# Altium PCB A PCB Christmas.PcbDoc
Units mm, origin at the board's own origin, x right, y up, seen from the top; angles counter-clockwise.
Board outline 101.4 x 137.45 mm, 2 copper layers (TOP, BOT), stack 1.519 mm thick; 102 components, 52 nets, 272 pads, 172 vias.
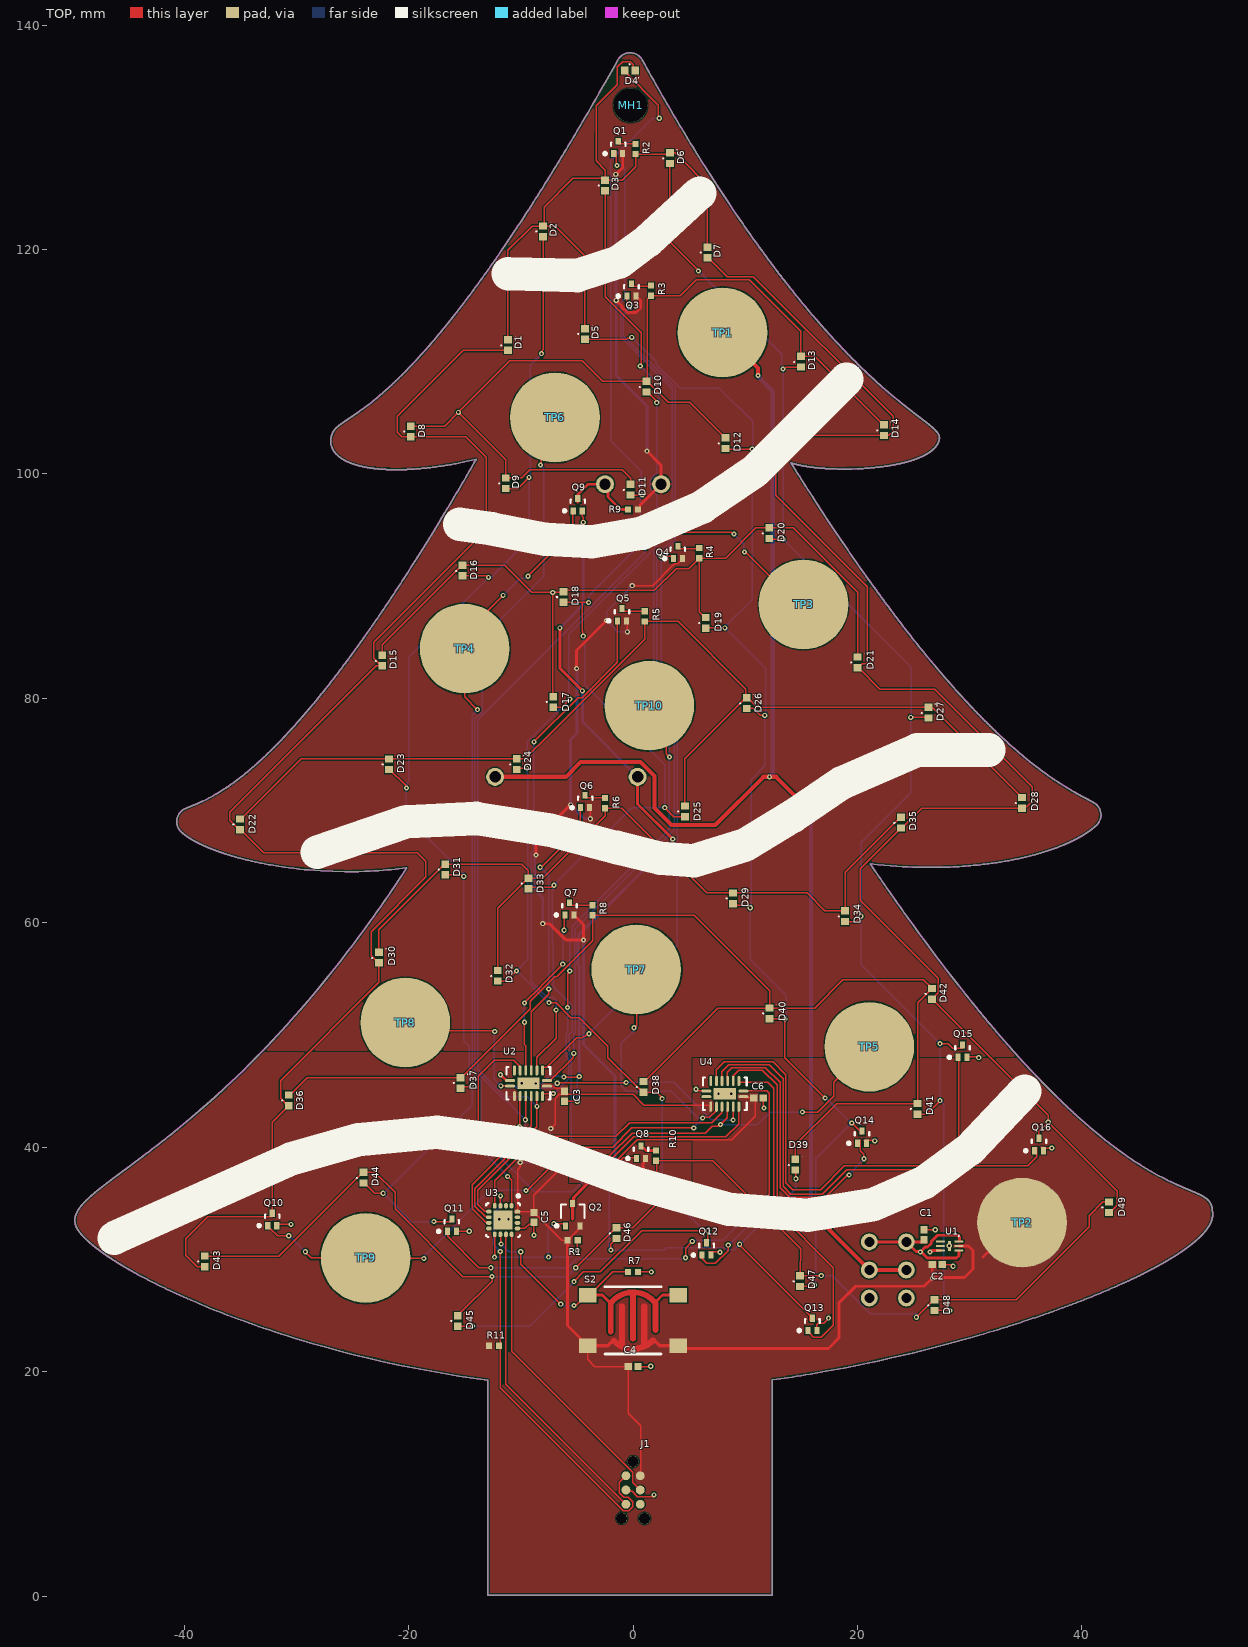
[diagram p0: TOP view]
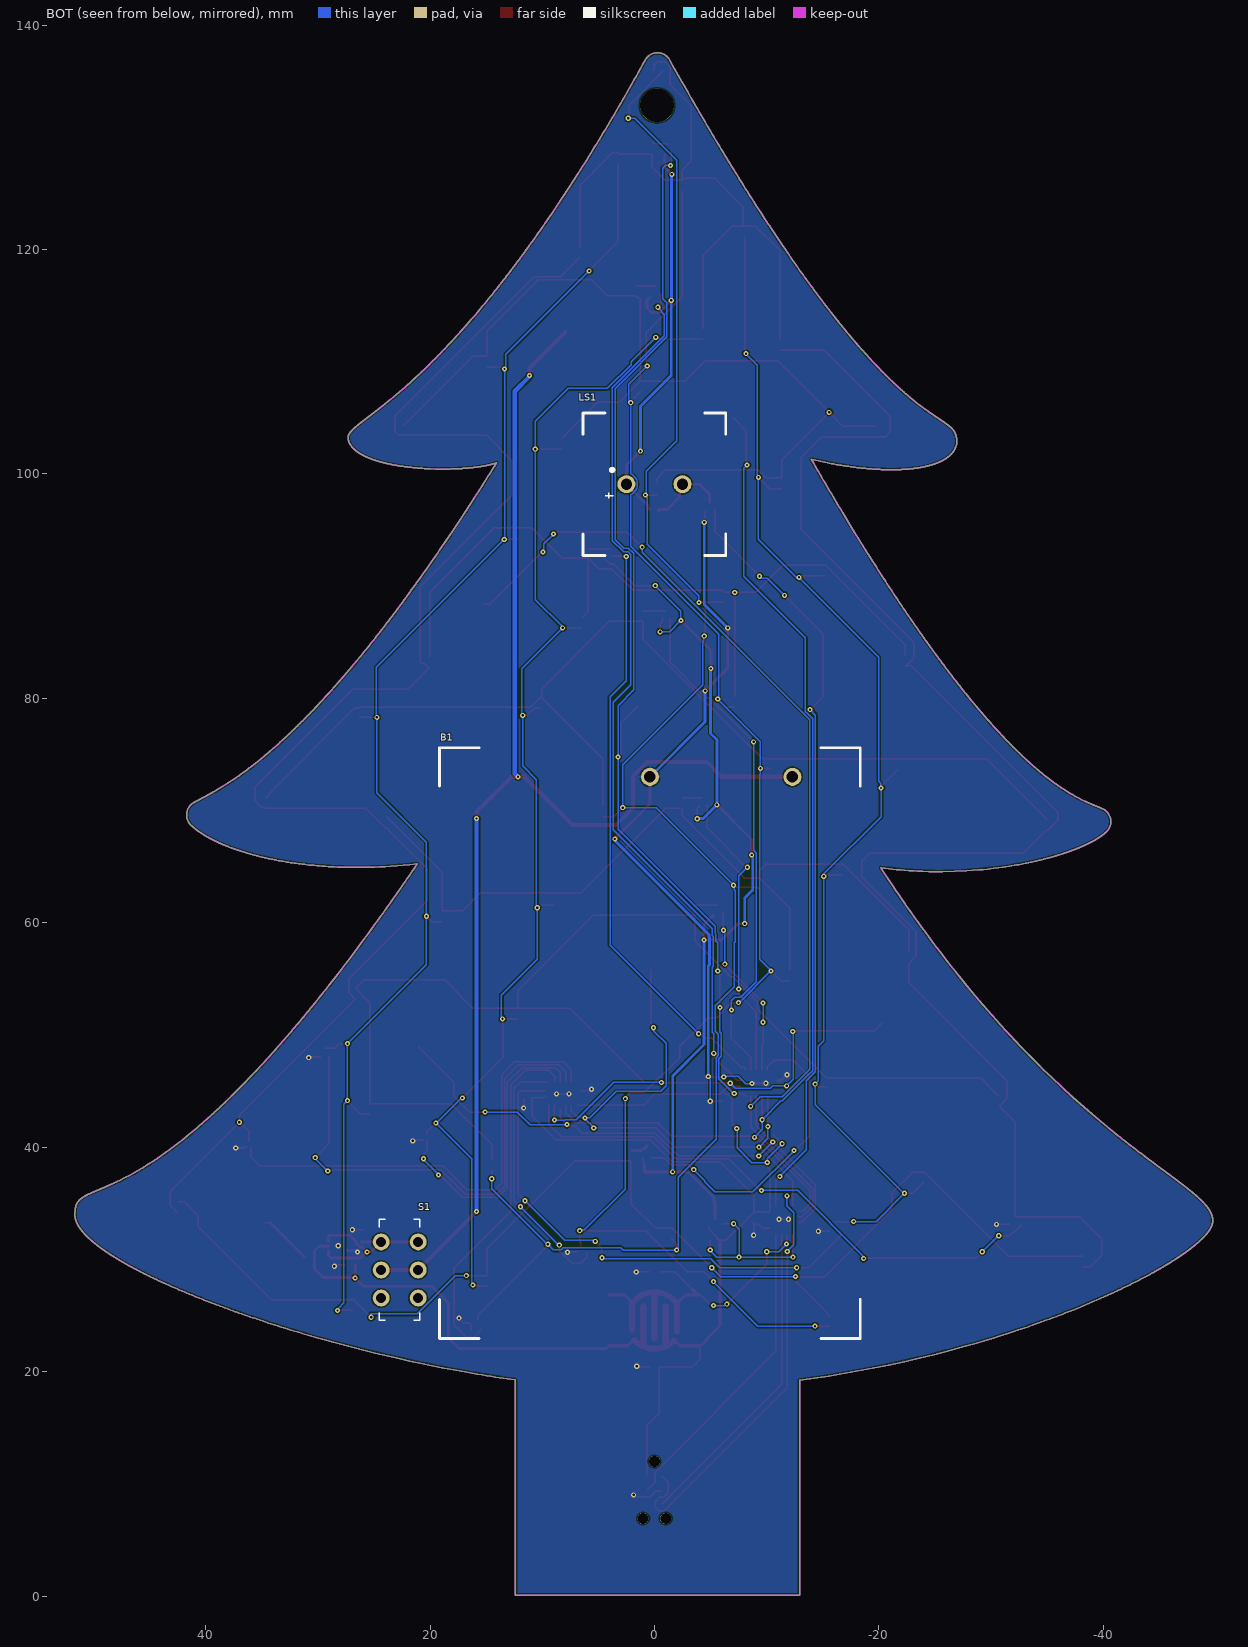
[diagram p1: BOT view, seen from below]
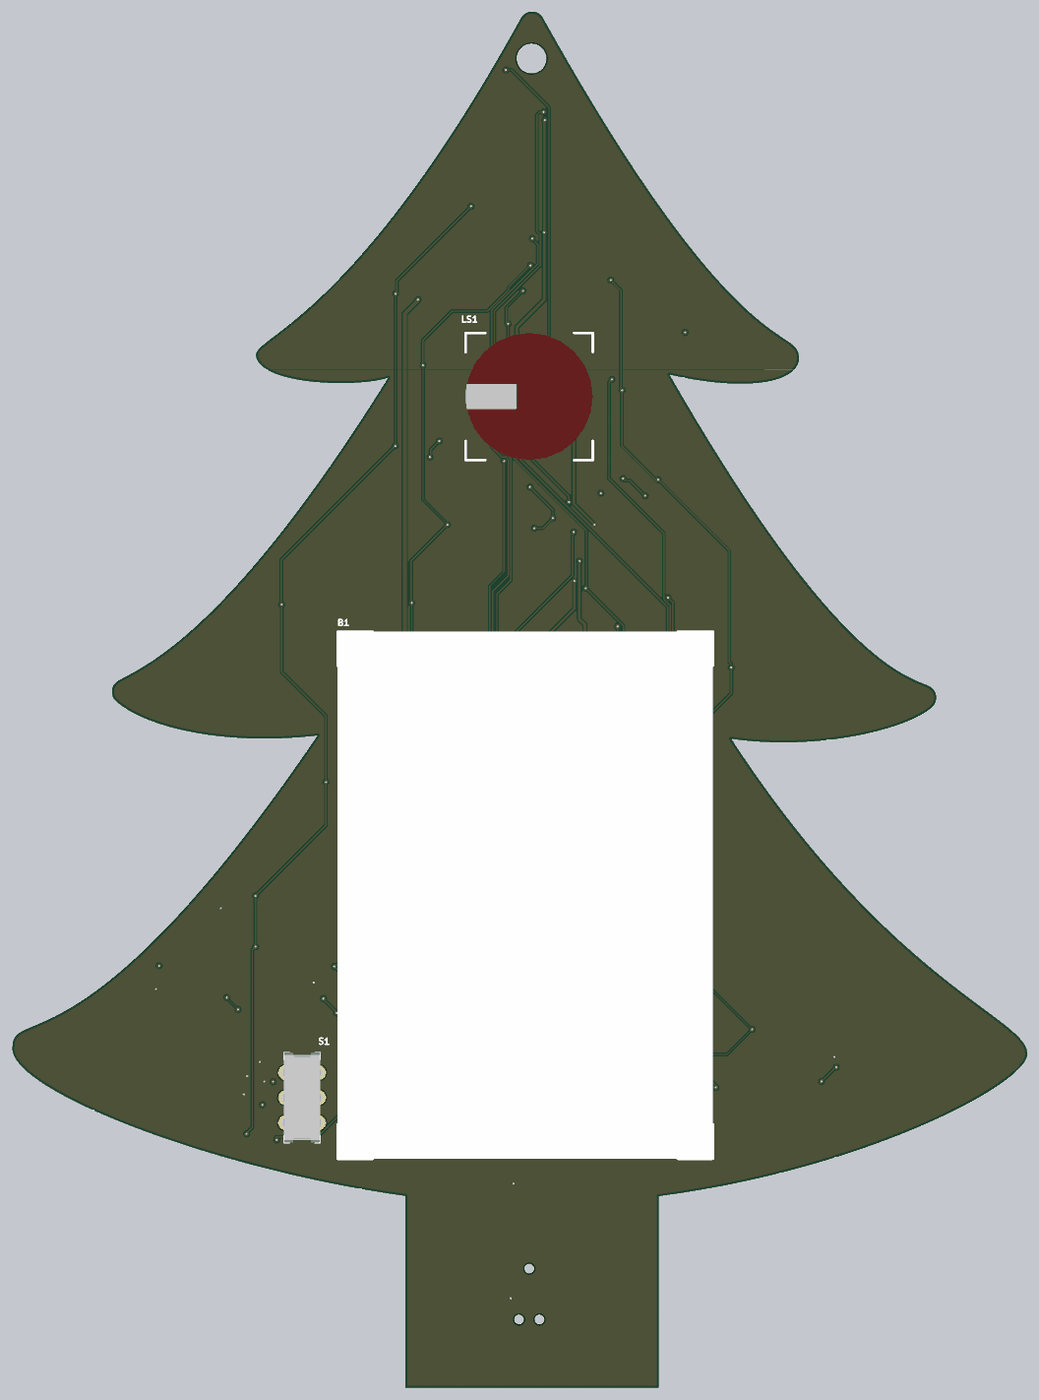
[diagram p2: 3D render of the assembled board from below, using the file's embedded part models]

## Layer stack, top to bottom
Top Solder: solder mask 0.0254, SM-001, Dk 4
TOP: signal copper 0.0356
Dielectric 3: core 1.4478, Core-039, Dk 4.8
BOT: signal copper 0.0356
Bottom Solder: solder mask 0.0254, SM-001, Dk 4

## Board outline
4379 vertices, not listed, extent -49.751,0.076 51.654,137.527

## Design rules (kind name [scope] priority, off if disabled: settings)
BoardOutlineClearance [All] p1: gap=0.127 ignorepadtopadclearanceinfootprint=FALSE
Clearance [All] p1: gap=0.127 ignorepadtopadclearanceinfootprint=TRUE
HoleSize [All] p1: absolutevalues=TRUE maxlimit=5.08 minlimit=0.025 maxpercent=80.000 minpercent=20.000
MinimumSolderMaskSliver [All] p1: minsoldermaskwidth=0.127
PlaneClearance [All] p1: clearance=0.127
PlaneConnect PlaneConnect_1 [All] p1: pad.planeconnectstyle=Relief pad.reliefexpansion=0.508 pad.reliefentries=4 pad.reliefconductorwidth=0.254 pad.reliefairgap=0.254 via.planeconnectstyle=Direct via.reliefexpansion=0.508 via.reliefentries=4 via.reliefconductorwidth=0.254 via.reliefairgap=0.254
PlaneConnect [All] p2: planeconnectstyle=Direct reliefexpansion=0.508 reliefentries=4 reliefconductorwidth=0.254 reliefairgap=0.254
PolygonConnect PolygonConnect_1 [All] p1: thpad.connectstyle=Relief thpad.reliefconductorwidth=0.254 thpad.reliefentries=4 thpad.polygonreliefangle="90 Angle" thpad.airgapwidth=0.127 smdpad.connectstyle=Direct smdpad.reliefconductorwidth=0.254 smdpad.reliefentries=4 smdpad.polygonreliefangle="90 Angle" smdpad.airgapwidth=0.254 via.connectstyle=Direct via.reliefconductorwidth=0.254 via.reliefentries=4 via.polygonreliefangle="90 Angle" via.airgapwidth=0.254
PolygonConnect [All] p2: connectstyle=Direct reliefconductorwidth=0.254 reliefentries=4 polygonreliefangle="90 Angle" airgapwidth=0.254
RoutingVias [All] p1: holewidth=0.203 width=0.457 viastyle="Through Hole" minholewidth=0.203 minwidth=0.457 maxholewidth=0.203 maxwidth=0.457
SilkToSilkClearance [All] p1: silktosilkclearance=0
SilkToSolderMaskClearance [IsPad] p1: minsilkscreentomaskgap=0.127 clearancetoexposedcopper=TRUE
SolderMaskExpansion [All] p1: expansion=0.102 istentingtop=FALSE
Width [All] p1: maxlimit=2.54 minlimit=0.127 preferedwidth=0.254 minimp=50.000000 maximp=50.000000 favimp=50.000000
24 further rules are at their usual default settings.

## Components (designator, comment, footprint, x,y, rotation, side; value= is the part's Value field where it differs from the comment)
B1 "Three Cell" 2479 0.4,49.276 r0 bottom locked
C1 "Ceramic Cap" C0402 25.908,32.199 r270 top value=1uF
C2 "Ceramic Cap" C0402 27.102,29.54 r180 top value=1uF
C3 "Ceramic Cap" C0402 -6.096,44.534 r90 top value=100nF
C4 "Ceramic Cap" C0402 0,20.447 r180 top value=100nF
C5 "Ceramic Cap" C0402 -8.839,33.739 r90 top value=100nF
C6 "Ceramic Cap" C0402 11.176,44.399 r180 top value=100nF
D1 "LED" 16-219AUTD/S3151/TR8 -11.151,111.488 r270 top
D2 "LED" 16-219AUTD/S3151/TR8 -8.026,121.615 r270 top
D3 "LED" 16-219AUTD/S3151/TR8 -2.489,125.705 r270 top
D4 "LED" 16-219AUTD/S3151/TR8 -0.279,135.941 r180 top
D5 "LED" 16-219AUTD/S3151/TR8 -4.293,112.471 r270 top
D6 "LED" 16-219AUTD/S3151/TR8 3.277,128.143 r270 top
D7 "LED" 16-219AUTD/S3151/TR8 6.629,119.736 r270 top
D8 "LED" 16-219AUTD/S3151/TR8 -19.812,103.784 r270 top
D9 "LED" 16-219AUTD/S3151/TR8 -11.354,99.169 r270 top
D10 "LED" 16-219AUTD/S3151/TR8 1.194,107.78 r270 top
D11 "LED" 16-219AUTD/S3151/TR8 -0.229,98.603 r270 top
D12 "LED" 16-219AUTD/S3151/TR8 8.23,102.743 r270 top
D13 "LED" 16-219AUTD/S3151/TR8 14.961,110 r270 top
D14 "LED" 16-219AUTD/S3151/TR8 22.352,103.904 r270 top
D15 "LED" 16-219AUTD/S3151/TR8 -22.352,83.37 r270 top
D16 "LED" 16-219AUTD/S3151/TR8 -15.189,91.389 r270 top
D17 "LED" 16-219AUTD/S3151/TR8 -7.112,79.68 r270 top
D18 "LED" 16-219AUTD/S3151/TR8 -6.198,89.035 r270 top
D19 "LED" 16-219AUTD/S3151/TR8 6.477,86.733 r270 top
D20 "LED" 16-219AUTD/S3151/TR8 12.141,94.717 r270 top
D21 "LED" 16-219AUTD/S3151/TR8 20.015,83.203 r270 top
D22 "LED" 16-219AUTD/S3151/TR8 -35.027,68.765 r270 top
D23 "LED" 16-219AUTD/S3151/TR8 -21.742,74.125 r270 top
D24 "LED" 16-219AUTD/S3151/TR8 -10.363,74.143 r270 top
D25 "LED" 16-219AUTD/S3151/TR8 4.623,69.934 r270 top
D26 "LED" 16-219AUTD/S3151/TR8 10.135,79.578 r270 top
D27 "LED" 16-219AUTD/S3151/TR8 26.314,78.732 r270 top
D28 "LED" 16-219AUTD/S3151/TR8 34.671,70.681 r270 top
D29 "LED" 16-219AUTD/S3151/TR8 8.915,62.179 r270 top
D30 "LED" 16-219AUTD/S3151/TR8 -22.657,56.904 r270 top
D31 "LED" 16-219AUTD/S3151/TR8 -16.739,64.752 r270 top
D32 "LED" 16-219AUTD/S3151/TR8 -12.065,55.278 r270 top
D33 "LED" 16-219AUTD/S3151/TR8 -9.322,63.5 r270 top
D34 "LED" 16-219AUTD/S3151/TR8 18.898,60.587 r270 top
D35 "LED" 16-219AUTD/S3151/TR8 23.876,68.918 r270 top
D36 "LED" 16-219AUTD/S3151/TR8 -30.683,44.171 r270 top
D37 "LED" 16-219AUTD/S3151/TR8 -15.392,45.72 r270 top
D38 "LED" 16-219AUTD/S3151/TR8 0.914,45.372 r270 top
D39 "LED" 16-219AUTD/S3151/TR8 14.453,38.438 r270 top
D40 "LED" 16-219AUTD/S3151/TR8 12.167,51.925 r270 top
D41 "LED" 16-219AUTD/S3151/TR8 25.349,43.416 r270 top
D42 "LED" 16-219AUTD/S3151/TR8 26.645,53.67 r270 top
D43 "LED" 16-219AUTD/S3151/TR8 -38.176,29.82 r270 top
D44 "LED" 16-219AUTD/S3151/TR8 -24.028,37.287 r270 top
D45 "LED" 16-219AUTD/S3151/TR8 -15.621,24.511 r270 top
D46 "LED" 16-219AUTD/S3151/TR8 -1.473,32.342 r270 top
D47 "LED" 16-219AUTD/S3151/TR8 14.884,28.067 r270 top
D48 "LED" 16-219AUTD/S3151/TR8 26.873,25.926 r270 top
D49 "LED" 16-219AUTD/S3151/TR8 42.418,34.646 r270 top
J1 "TC2030-PKT-NL" TC2030-PKT-NL 0,11.989 r270 top
LS1 "Buzzer" PS1240P02BT 0,99.085 r180 bottom locked
MH1 "3MM_MH" 3MM_MH -0.229,132.842 r0 top
Q1 "P-CH" SOTFL40P120X55-3N-2 -1.324,129.103 r90 top
Q2 "P-CH" SOTFL65P210X75-3N -5.385,33.981 r90 top
Q3 "P-CH" SOTFL40P120X55-3N-2 -0.15,116.403 r90 top
Q4 "P-CH" SOTFL40P120X55-3N-2 3.988,93.015 r90 top
Q5 "P-CH" SOTFL40P120X55-3N-2 -0.991,87.452 r90 top
Q6 "P-CH" SOTFL40P120X55-3N-2 -4.267,70.815 r90 top
Q7 "P-CH" SOTFL40P120X55-3N-2 -5.664,61.239 r90 top
Q8 "P-CH" SOTFL40P120X55-3N-2 0.711,39.548 r90 top
Q9 "N-CH" SOTFL40P120X55-3N -4.93,97.253 r90 top
Q10 "N-CH" SOTFL40P120X55-3N -32.156,33.557 r90 top
Q11 "N-CH" SOTFL40P120X55-3N -16.154,33.049 r90 top
Q12 "N-CH" SOTFL40P120X55-3N 6.553,30.937 r90 top
Q13 "N-CH" SOTFL40P120X55-3N 15.977,24.21 r90 top
Q14 "N-CH" SOTFL40P120X55-3N 20.396,40.898 r90 top
Q15 "N-CH" SOTFL40P120X55-3N 29.36,48.561 r90 top
Q16 "N-CH" SOTFL40P120X55-3N 36.17,40.234 r90 top
R1 "Resistor" RESC1005X04N -5.385,31.699 r180 top value=10kΩ
R2 "Resistor" RESC1005X04N 0.229,128.956 r270 top value=124Ω
R3 "Resistor" RESC1005X04N 1.6,116.332 r270 top value=124Ω
R4 "Resistor" RESC1005X04N 5.893,92.939 r270 top value=124Ω
R5 "Resistor" RESC1005X04N 1.041,87.307 r270 top value=124Ω
R6 "Resistor" RESC1005X04N -2.489,70.663 r270 top value=124Ω
R7 "Resistor" RESC1005X04N 0,28.88 r180 top value=10kΩ
R8 "Resistor" RESC1005X04N -3.607,61.112 r270 top value=124Ω
R9 "Resistor" RESC1005X04N 0,96.825 r0 top value=1kΩ
R10 "Resistor" RESC1005X04N 2.032,39.243 r270 top value=124Ω
R11 "10k" RESC1005X04N -12.395,22.301 r180 top
S1 "JS202011CQN" JS202011CQN 22.708,29.058 r180 bottom
S2 "PTS645SM43SMTR92 LFS" "PTS645SM43SMTR92 LFS" 0,24.562 r180 top
TP1 "TP" ORNAMENTS 7.976,112.598 r0 top
TP2 "TP" ORNAMENTS 34.671,33.274 r0 top
TP3 "TP" ORNAMENTS 15.189,88.367 r0 top
TP4 "TP" ORNAMENTS -15.011,84.43 r0 top
TP5 "TP" ORNAMENTS 21.057,48.946 r0 top
TP6 "TP" ORNAMENTS -6.96,105.029 r0 top
TP7 "TP" ORNAMENTS 0.279,55.829 r0 top
TP8 "TP" ORNAMENTS -20.295,51.105 r0 top
TP9 "TP" ORNAMENTS -23.825,30.124 r0 top
TP10 "TP" ORNAMENTS 1.448,79.35 r0 top
U1 "MIC5363-3.3YMT-TR" QFN40P120X120X60_HS-7N 28.207,31.198 r0 top
U2 "74HC595BQ-Q100,115" QFN50P250X350X100_HS-17N -9.322,45.695 r270 top
U3 "PIC16F15225-E/MG" PQFN50P300X300X90_HS-17N -11.577,33.507 r270 top
U4 "74HC595BQ-Q100,115" QFN50P250X350X100_HS-17N 8.179,44.755 r270 top

## Footprints (in the part's own frame and the unit in brackets; to place one, negate y for a bottom-side part, rotate by r counter-clockwise, add the part's x,y. Pads: shape width x height; smd on the part's side, far side on the other; paste and mask are expansions set on the pad)
3MM_MH [mm]
  round 3 hole 3 unplated: 1(0,0)
16-219AUTD/S3151/TR8 [mm]
  rect 0.65x0.7 smd: 1(-0.475,0) 2(0.475,0)
  silkscreen extent -0.76,-0.64 0.05,0.64, body extent -0.48,-0.26 0.48,0.26, height 0.25
2479 [mm]
  round 1.6 hole 1.02: 1(-12.7,-23.725) 2(0,-23.725)
  silkscreen extent -18.74,-26.31 18.75,26.31, body extent -18.75,-26.32 18.75,26.32
C0402 [mm] "Chip Capacitor, 2-Leads, Body 1.00x0.50mm, IPC Medium Density"
  rect 0.66x0.62 smd mask+0.071: 1(-0.44,0) 2(0.44,0)
  body extent -0.53,-0.28 0.53,0.27, height 0.55
JS202011CQN [mm]
  round 1.5 hole 0.9: 1(-1.65,2.5) 1(1.65,2.5) 2(-1.65,0) 2(1.65,0) 3(-1.65,-2.5) 3(1.65,-2.5)
  silkscreen extent -1.8,-4.5 1.8,4.5, body extent -1.8,-4.5 1.8,4.5, height 2.63
ORNAMENTS [mm]
  round 8 smd paste-8: 1(0,0)
PQFN50P300X300X90_HS-17N [mm] "PQFN, 16-Leads, Body 3.00x3.00mm, Pitch 0.50mm, Thermal Pad 1.70x1.70mm, IPC Medium Density"
  oval 0.5x0.35 smd: 1(-1.275,0.75) 2(-1.275,0.25) 3(-1.275,-0.25) 4(-1.275,-0.75) 9(1.275,-0.75) 10(1.275,-0.25) 11(1.275,0.25) 12(1.275,0.75)
  oval 0.35x0.5 smd: 5(-0.75,-1.275) 6(-0.25,-1.275) 7(0.25,-1.275) 8(0.75,-1.275) 13(0.75,1.275) 14(0.25,1.275) 15(-0.25,1.275) 16(-0.75,1.275)
  rect 1.7x1.7 smd: 17(0,0)
  silkscreen extent -2.27,-1.5 1.5,1.5, body extent -1.5,-1.5 1.5,1.5, height 0.9
PS1240P02BT [mm]
  round 1.6 hole 1: 1(-2.5,0) 2(2.5,0)
  silkscreen extent -6.37,-6.35 6.35,6.35, body extent -6.37,-6.35 6.35,6.35, height 7.03
"PTS645SM43SMTR92 LFS" [mm]
  rect 1.55x1.3 smd: 1(-4.025,2.25) 2(4.025,2.25) 3(-4.025,-2.25) 4(4.025,-2.25)
  TOP region: -2.02,1.715 -1.973,1.62 -1.891,1.553 -1.789,1.525 -1.684,1.541 -1.595,1.599 -1.595,1.599 -1.595,1.599 -1.431,1.747 -1.254,1.878 -1.254,1.878 -1.254,-1.25 -1.229,-1.36 -1.159,-1.449 -1.057,-1.498 -0.943,-1.498 -0.841,-1.449 -0.771,-1.36 -0.746,-1.25 -0.746,-1.25 -0.746,2.131 0,2.258 0.746,2.131 0.746,2.131 0.746,-1.25 0.771,-1.36 0.841,-1.449 0.943,-1.498 1.057,-1.498 1.159,-1.449 1.229,-1.36 1.254,-1.25 1.254,-1.25 1.254,1.878 1.402,1.77 1.541,1.651 1.541,1.651 1.632,1.596 1.738,1.583 1.839,1.615 1.919,1.686 1.963,1.783 1.963,1.783 2.303,2.123 4.025,2.123 4.074,2.132 4.115,2.16 4.143,2.201 4.152,2.25 4.152,2.25 4.143,2.299 4.115,2.34 4.074,2.368 4.025,2.377 4.025,2.377 2.25,2.377 2.201,2.368 2.159,2.34 2.16,2.34 1.864,2.044 0.646,2.69 -0.732,2.668 -1.929,1.984 -1.929,1.984 -2.284,2.34 -2.326,2.368 -2.375,2.377 -2.375,2.377 -4.025,2.377 -4.08,2.365 -4.125,2.329 -4.149,2.278 -4.149,2.222 -4.125,2.171 -4.08,2.135 -4.025,2.123 -4.025,2.123 -2.428,2.123
  TOP lines w0.254: 4.025,2.25 2.25,2.25 1.837,1.837 1.714,1.837 ; 4.025,-2.25 2.75,-2.25 2.026,-1.526 1.996,-1.526 ; -2,-1.5 -2,-1.625 -2.625,-2.25 -4.025,-2.25 ; -4.025,2.25 -2.375,2.25 -1.904,1.779 -1.774,1.779 ; -1.774,1.779 -1.774,1.779
  TOP lines w0.508: 2,1 2,-1.391 ; 1.996,-1.526 cw(c0,0) -2.01,-1.507 ; 1.714,1.837 ccw(c0,0) -1.774,1.779 ; 1,2.25 1,-1.25 ; 0,1.625 0,-2.375 ; -1,2.25 -1,-1.25 ; -2,0.859 -2,-1.5
  silkscreen extent -2.5,-3 2.5,3, body extent -4.5,-3 4.5,3, height 4.3
QFN40P120X120X60_HS-7N [mm] "QFN, 6-Leads, Body 1.20x1.20mm, Pitch 0.40mm, Thermal Pad 0.26x0.90mm, IPC Medium Density"
  oval 0.8x0.2 smd: 1(-0.826,0.4) 2(-0.826,0) 3(-0.826,-0.4) 4(0.826,-0.4) 5(0.826,0) 6(0.826,0.4)
  rect 0.26x0.9 smd: 7(0,0)
  silkscreen extent 0.78,0.84 0.87,0.94, body extent -0.63,-0.63 0.63,0.63, height 0.6
QFN50P250X350X100_HS-17N [mm] "QFN, 16-Leads, Body 2.50x3.50mm, Pitch 0.50mm, Thermal Pad 1.00x2.00mm, IPC Medium Density"
  oval 0.25x0.9 smd: 1(-0.25,1.65) 8(-0.25,-1.65) 9(0.25,-1.65) 16(0.25,1.65)
  oval 0.9x0.25 smd: 2(-1.15,1.25) 3(-1.15,0.75) 4(-1.15,0.25) 5(-1.15,-0.25) 6(-1.15,-0.75) 7(-1.15,-1.25) 10(1.15,-1.25) 11(1.15,-0.75) 12(1.15,-0.25) 13(1.15,0.25) 14(1.15,0.75) 15(1.15,1.25)
  rect 1x2 smd: 17(0,0)
  silkscreen extent -1.45,-1.95 1.45,2.35, body extent -1.3,-1.8 1.3,1.8, height 1
RESC1005X04N [mm] "Chip Resistor, 2-Leads, Body 1.00x0.50mm, IPC Medium Density"
  rect 0.55x0.55 smd: 1(-0.45,0) 2(0.45,0)
  body extent -0.53,-0.27 0.53,0.28, height 0.4
SOTFL40P120X55-3N [mm] "SOTFL, 3-Leads, Body 1.20x1.20mm, Pitch 0.40mm, IPC Medium Density"
  rect 0.65x0.45 smd: 1(-0.55,0.4) 2(-0.55,-0.4) 3(0.55,0)
  silkscreen extent -0.67,-0.65 0.45,1.3, body extent -0.6,-0.65 0.6,0.65, height 0.55
SOTFL40P120X55-3N-2 [mm] "SOTFL, 3-Leads, Body 1.20x1.20mm, Pitch 0.40mm, IPC Medium Density"
  rect 0.6x0.45 smd: 1(-0.55,0.4) 2(-0.55,-0.4) 3(0.55,0)
  silkscreen extent -0.67,-0.65 0.43,1.3, body extent -0.6,-0.62 0.6,0.62, height 0.55
SOTFL65P210X75-3N [mm] "SOTFL, 3-Leads, Body 2.00x2.10mm, Pitch 0.65mm, IPC Medium Density"
  rect 0.65x0.45 smd: 1(-1,0.65) 2(-1,-0.65) 3(1,0)
  silkscreen extent -1.12,-1.05 0.9,1.55, body extent -1.05,-1.05 1.05,1.05, height 0.75
TC2030-PKT-NL [mil]
  round 31 smd paste-30.98: 1(50,-25) 2(50,25) 3(100,-25) 4(100,25) 5(150,-25) 6(150,25)
  round 39 hole 39 unplated: ""(0,0) ""(200,-40) ""(200,40)

## Part data
B1: library part 2479, Supplier Part Number=36-2479-ND, Voltage=4.5V, =Manufacturer Part Number=2479, Battery Series=AAA, Cells=3, Mounting Type=TH, Part Number=2479, Series=AAA, Supplier=Digi-Key, V=4.5V
C1 C2: library part CL05A105KO5NNNC, Capacitance=1uF, Manufacturer="Samsung Electro-Mechanics", Package=0402, Supplier Part Number=1276-1067-1-ND, Voltage=16V, Part Number=CL05A105KO5NNNC, Supplier=Digi-Key, Voltage Rating=16V
C3 C4 C5 C6: library part CL05A104KA5NNNC, Capacitance=100nF, Manufacturer="Samsung Electro-Mechanics", Package=0402, Supplier Part Number=1276-1043-1-ND, Voltage=25V, Part Number=CL05A104KA5NNNC, Supplier=Digi-Key, Voltage Rating=25V
D1 D2 D3 D4 D5 D6 D7 D8 D9 D10 D11 D12 D13 D14 D15 D16 D17 D18 D19 D20 D21 D22 D23 D24 D25 D26 D27 D28 D29 D30 D31 D32 D33 D34 D35 D36 D37 D38 D39 D40 D41 D42 D43 D44 D45 D46 D47 D48 D49: library part 16-219AUTD/S3151/TR8, Color=White, Supplier Part Number=1080-1571-1-ND, Colour=White, Forward=2.675V, Manufacturer Part Number=16-219AUTD/S3151/TR8, Mounting Type=SMD, Part Number=16-219AUTD/S3151/TR8, Size="1.00mm L x 0.50mm W", Vf=2.675V
J1: "No Clip 6 Pin Tag Connect", Manufacturer="Tag-Connect LLC", Mounting Type=SM, Part Number=TC2030-PKT-NL, Supplier=Digi-Key, Supplier Part Number="Tag-Connect LLC"
LS1: library part PS1240P02BT, Supplier Part Number=445-2525-1-ND, Voltage=3V, Driver Circuitry="Transducer, Externally Driven", Input Type="Zero-Peak Signal", Manufacturer Part Number=PS1240P02BT, Mounting Type=TH, Part Number=PS1240P02BT, Sound Pressure Level="60dB @ 3V, 10cm", SPL="60dB @ 3V, 10cm", Supplier=Digi-Key, V Max=30V, V Rated=3V
Q1 Q3 Q4 Q5 Q6 Q7 Q8: library part SSM3J35MFV,L3F, Manufacturer="Toshiba Semiconductor and Storage", Package=SOT-723, Supplier Part Number=SSM3J35MFVL3FCT-ND, FET Type=P-CH, Id=100mA, Manufacturer Part Number=SSM3J35MFV,L3F, Part Number=SSM3J35MFV,L3F, Supplier=Digi-Key, Type=P-CH, Vds=20V, Vgs (Max)=8V
Q2: library part SSM3J36TU,LF, Manufacturer="Toshiba Semiconductor and Storage", Package="3-SMD, Flat Leads", Supplier Part Number=SSM3J36TULFCT-ND, FET Type=P-CH, Id=330mA, Manufacturer Part Number=SSM3J36TU,LF, Part Number=SSM3J36TU,LF, Supplier=Digi-Key, Type=P-CH, Vds=20V, Vgs (Max)=8V
Q9 Q10 Q11 Q12 Q13 Q14 Q15 Q16: library part RUM001L02T2CL, Manufacturer="Rohm Semiconductor", Package=SOT-723, Supplier Part Number=RUM001L02T2CLCT-ND, FET Type=N-CH, Id=100mA, Manufacturer Part Number=RUM001L02T2CL, Part Number=RUM001L02T2CL, Supplier=Digi-Key, Type=N-CH, Vds=20V, Vgs (Max)=8V
R1 R7: library part RMCF0402FT10K0, Manufacturer="Stackpole Electronics Inc", Package=0402, Resistance=10kΩ, Supplier Part Number=RMCF0402FT10K0CT-ND, Package/Footprint=0402, Part Number=RMCF0402FT10K0, Supplier=Digi-Key
R2 R3 R4 R5 R6 R8 R10: library part ERJ-2RKF1240X, Manufacturer="Panasonic Electronic Components", Package=0402, Resistance=124Ω, Supplier Part Number=P124LCT-ND, Package/Footprint=0402, Part Number=ERJ-2RKF1240X, Supplier=Digi-Key
R9: library part RC0402FR-071RL, Manufacturer=Yageo, Package=0402, Resistance=1kΩ, Supplier Part Number=311-1.00LRCT-ND, Package/Footprint=0402, Part Number=RC0402FR-071RL, Supplier=Digi-Key
R11: library part RC0402FR-0710KL, "RES SMD 10K OHM 1% 1/16W 0402", Case Code (Imperial)=0402, Case Code (Metric)=1005, Manufacturer=Yageo, Max Operating Temperature=155°C, Min Operating Temperature=-55°C, Power Rating=62.5mW, Supplier Part Number 1=311-10.0KLRCT-ND, Temperature Coefficient=100ppm/°C, Tolerance=1%, Voltage Rating=50V, Case/Package=0402, Composition="Thick Film", Depth=0.5mm, Height=0.32mm, Lead Free="Lead Free", Lead Pitch=0.2mm, Length=1mm, Manufacturer Part Number=RC0402FR-0710KL, Military Standard=Not, Packaging="Tape and Reel", Part Number=RC0402FR-0710KL, Pricing 1="1=0.1, 10=0.014, 100=0.0056, 1000=0.0025, 2500=0.0022, 5000=0.0018 (USD)", REACH SVHC="No SVHC", Resistance=10k, Stock 1=14034353, Supplier 1=Digi-Key, Width=0.5mm
S1: Supplier Part Number=401-2001-ND, Function="Slide Switch", Manufacturer Part Number=JS202011CQN, Mouting Type=TH, Part Number=JS202011CQN, Supplier=Digi-Key
S2: library part PTS645SK50SMTR92LFS, "SWITCH TACTILE SPST-NO 0.05A 12V", Case/Package=SMD/SMT, Colour=Black, Contact Resistance=100mR, Current Rating=50mA, Manufacturer="ITT /  C&K Components", Manufacturer Part Number=PTS645SM43SMTR92LFS, Max Operating Temperature=60°C, Max Voltage Rating (DC)=12V, Min Operating Temperature=-20°C, Operating Force=160gf, Package Quantity=1000, Supplier Part Number=CKN9087CT-ND, Supplier Part Number 1=CKN9112CT-ND, Actuator Length=0.85mm, Actuator Material=Nylon,Polyamide, ComponentLink1Description=https://datasheet.ciiva.com/29903/getdatasheetpartid-786341-29903846.pdf, ComponentLink1URL=https://datasheet.ciiva.com/29903/getdatasheetpartid-786341-29903846.pdf, ComponentLink2Description=https://datasheet.ciiva.com/14920/pts645-14920733.pdf, ComponentLink2URL=https://datasheet.ciiva.com/14920/pts645-14920733.pdf, ComponentLink3Description=https://datasheet.ciiva.com/14920/pts645-14920734.pdf, ComponentLink3URL=https://datasheet.ciiva.com/14920/pts645-14920734.pdf, ComponentLink4Description=https://datasheet.ciiva.com/14920/pts645-14920735.pdf, ComponentLink4URL=https://datasheet.ciiva.com/14920/pts645-14920735.pdf, ComponentLink5Description=https://datasheet.ciiva.com/29931/getdatasheetpartid-764615-29931183.pdf, ComponentLink5URL=https://datasheet.ciiva.com/29931/getdatasheetpartid-764615-29931183.pdf, Contact Material=Silver, Contact Plating=Silver, Depth=9mm, Function="Tactile Switch", Illumination Type=Non-Illuminated,Illuminated, Lead Free="Lead Free", Length=6mm, Max Current Rating=50mA, Mechanical Life=100000Cycles, Mount="Surface Mount", Mouting Type=SM, Orientation=Straight, Packaging="Tape and Reel", Part Number=PTS645SK50SMTR92LFS, Pricing 1="1=0.15, 10=0.147, 25=0.1416, 50=0.1366, 100=0.129, 250=0.1214, 500=0.1164 (USD)", REACH SVHC="No SVHC", Stock 1=442768, Supplier=Digi-Key, Supplier 1=Digikey, Termination="Gull Wing", Throw Configuration=SPST, Voltage Rating (DC)=12V
TP1 TP2 TP3 TP4 TP5 TP6 TP7 TP8 TP9 TP10: library part ORNAMENTS, Part Number=ORNAMENTS
U1: Manufacturer="Microchip Technology", Package="6-UFDFN Exposed Pad", Supplier Part Number=576-4133-1-ND, Part Number=MIC5363-3.3YMT-TR, Supplier=Digi-Key
U2 U4: Manufacturer="Nexperia USA Inc.", Package="16-VFQFN Exposed Pad", Supplier Part Number=1727-2622-1-ND, Manufacturer Part Number=74HC595BQ-Q100,115, Part Number=74HC595BQ-Q100,115, Supplier=Digi-Key
U3: Manufacturer="Microchip Technology", Package="16-VFQFN Exposed Pad", Supplier Part Number=150-PIC16F15225-E/MG-ND, Manufacturer Part Number=PIC16F15225-E/MG, Part Number=PIC16F15225-E/MG, Supplier=Digi-Key
MH1: Function=3MM, Part Number=3MM_MH, Size=3MM

## Via types
v1: diameter 0.457, hole 0.203, TOP to BOT, tented top, 172 vias
